# KiCad board procyon_57x80.kicad_pcb
title: Procyon; date: 2024-10-12; rev: 1; company: George Norton
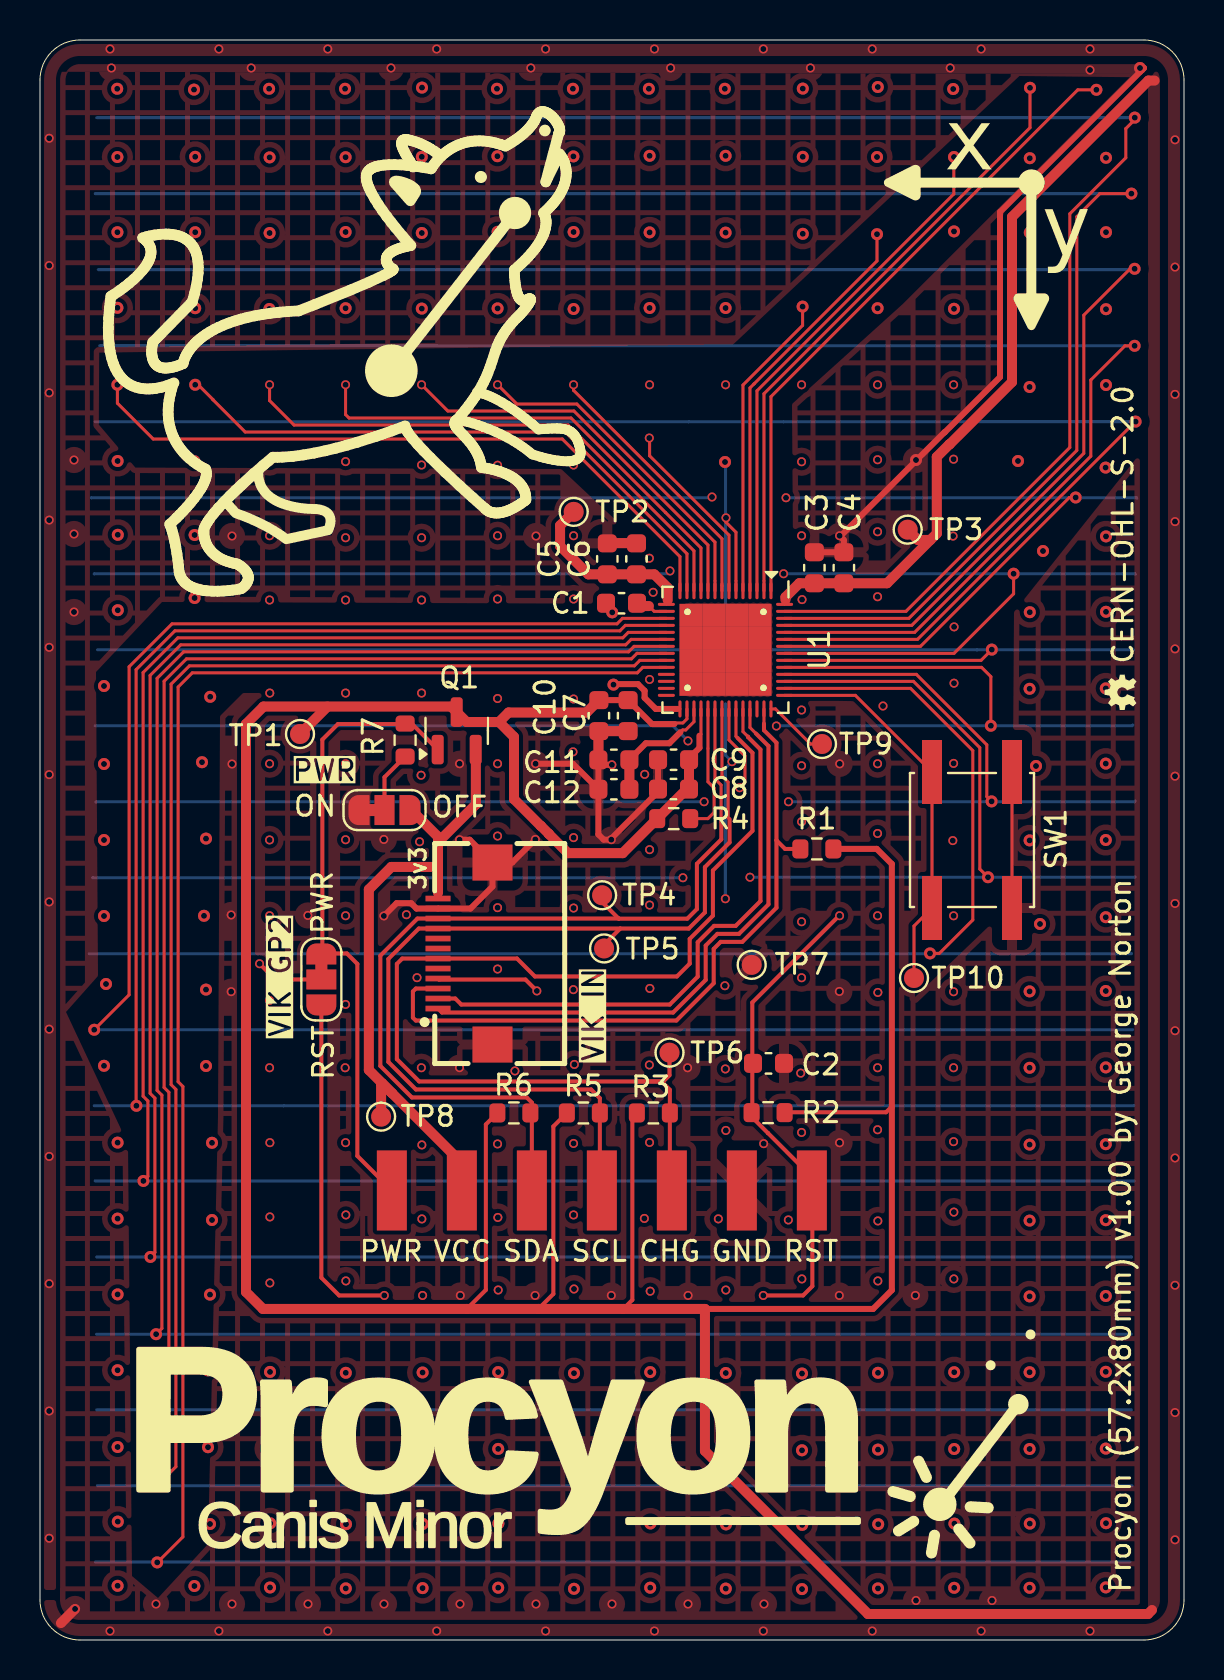
[diagram p0: board, top side]
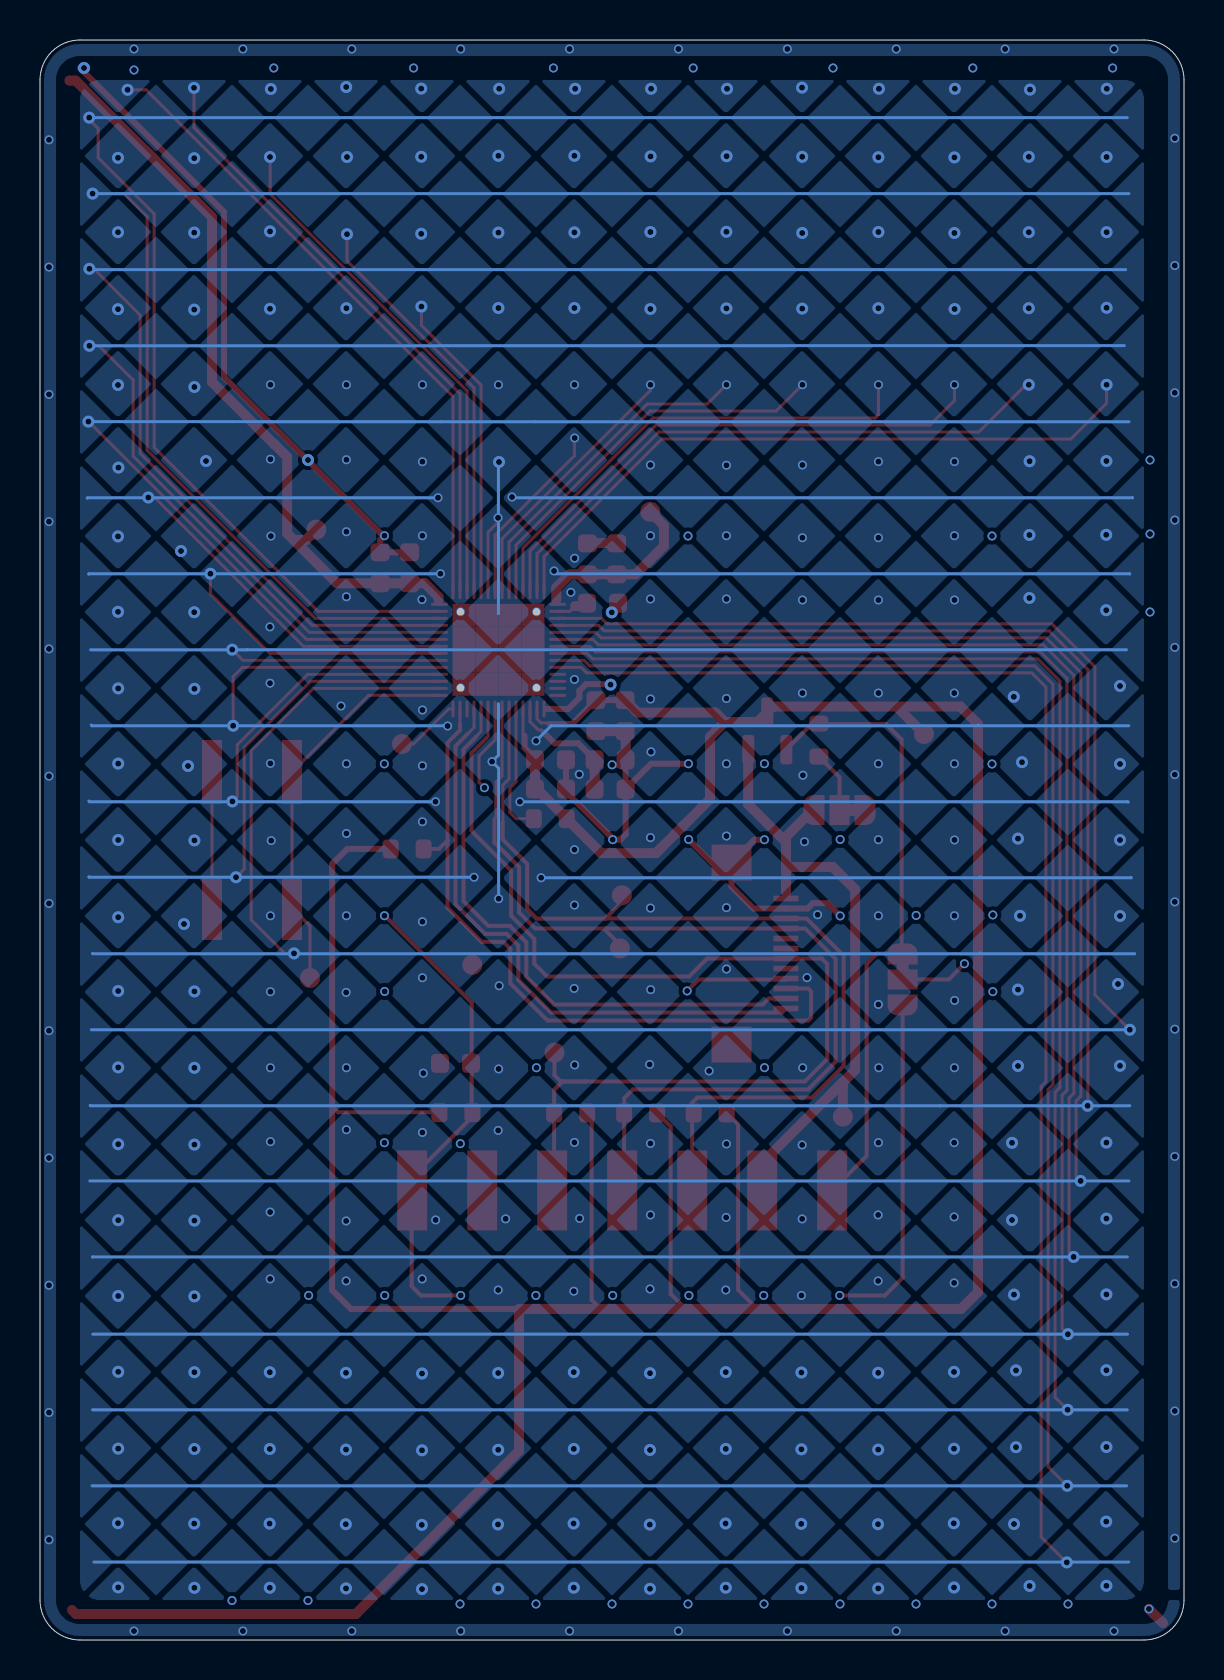
[diagram p1: board, bottom side, seen from below]

Outline 57.2 x 80 mm; copper layers: Top, In1.Cu, In2.Cu, Bottom. Coordinates in mm from the lower left corner of the outline.
Outline path: 0,78 arc(0.59,79.41) 2,80 55.2,80 arc(56.61,79.41) 57.2,78 57.2,2 arc(56.61,0.59) 55.2,0 2,0 arc(0.59,0.59) 0,2 0,78
Stack: Top 0.035mm / dielectric 0.1mm FR4 er 4.5 / In1.Cu 0.035mm / dielectric 1.24mm FR4 er 4.5 / In2.Cu 0.035mm / dielectric 0.1mm FR4 er 4.5 / Bottom 0.035mm

## Placement (name value [footprint] x y rotation side)
C1  2.2nF  [C_0603_1608Metric]  29.07 51.84 180 top
C2  10nF  [C_0603_1608Metric]  36.42 28.83 0 top
C3  22n  [C_0603_1608Metric]  38.72 53.61 270 top
C4  2.2µ  [C_0603_1608Metric]  40.19 53.61 270 top
C5  22n  [C_0603_1608Metric]  28.36 54.06 90 top
C6  1µ  [C_0603_1608Metric]  29.82 54.06 90 top
C7  22n  [C_0603_1608Metric]  29.4 46.22 90 top
C8  2.2µ  [C_0603_1608Metric]  31.67 42.55 0 top
C9  22n  [C_0603_1608Metric]  31.68 44.01 0 top
C10  2.2µ  [C_0603_1608Metric]  27.94 46.22 90 top
C11  22n  [C_0603_1608Metric]  28.69 44.01 0 top
C12  1µ  [C_0603_1608Metric]  28.69 42.54 0 top
J1  Conn_01x07_Pin  [Test Pads]  28.09 22.48 0 top
J2  ~  [vik-module-connector-horizontal]  21.94 34.32 90 top
JP1  VIK GP2  [SolderJumper-3_P1.3mm_Bridged12_RoundedPad1.0x1.5mm_NumberLabels]  14.07 33.03 270 top
JP2  PWR  [SolderJumper-3_P1.3mm_Bridged12_RoundedPad1.0x1.5mm_NumberLabels]  17.22 41.5 0 top
NT1  NetTie_2  [NetTie-2_SMD_Pad0.5mm]  1.4 1.2 225 top
Q1  AO3401A  [SOT-23]  20.83 45.46 90 top
R1  10k  [R_0603_1608Metric]  38.84 39.55 180 top
R2  10k  [R_0603_1608Metric]  36.4 26.37 180 top
R3  10k  [R_0603_1608Metric]  30.67 26.35 0 top
R4  10k  [R_0603_1608Metric]  31.68 41.07 0 top
R5  3.3k  [R_0603_1608Metric]  27.17 26.35 0 top
R6  3.3k  [R_0603_1608Metric]  23.69 26.35 0 top
R7  2M  [R_0603_1608Metric]  18.25 45 90 top
SW1  SW_Push  [SW_SPST_EVQQ2]  46.6 40 90 top
TP1  TestPoint  [TestPoint_Pad_D1.0mm]  13 45.3 0 top
TP2  TestPoint  [TestPoint_Pad_D1.0mm]  26.68 56.41 0 top
TP3  TestPoint  [TestPoint_Pad_D1.0mm]  43.38 55.52 0 top
TP4  TestPoint  [TestPoint_Pad_D1.0mm]  28.1 37.24 0 top
TP5  TestPoint  [TestPoint_Pad_D1.0mm]  28.2 34.58 0 top
TP6  TestPoint  [TestPoint_Pad_D1.0mm]  31.47 29.37 0 top
TP7  TestPoint  [TestPoint_Pad_D1.0mm]  35.58 33.76 0 top
TP8  TestPoint  [TestPoint_Pad_D1.0mm]  17.06 26.17 0 top
TP9  TestPoint  [TestPoint_Pad_D1.0mm]  39.1 44.8 0 top
TP10  TestPoint  [TestPoint_Pad_D1.0mm]  43.7 33.1 0 top
U1  mXT336UD-MAU002  [QFN-56_EP_6x6_Pitch0.35mm]  34.27 49.51 270 top

## Library data of the parts
C1 = -: LCSC: C1604; ki_fp_filters: C_*
C2 = -: LCSC: C57112; ki_fp_filters: C_*
C3 C5 C7 C9 C11 = -: LCSC: C21122; ki_fp_filters: C_*
C4 C8 C10 = -: LCSC: C23630; ki_fp_filters: C_*
C6 C12 = -: LCSC: C15849; ki_fp_filters: C_*
J1 = -: Description: Generic connector, single row, 01x07, script generated; ki_fp_filters: Connector*:*_1x??_*
J2 = -: LCSC: C479750
JP1 JP2 = -: Description: 3-pole Solder Jumper, pins 1+2 closed/bridged; ki_fp_filters: SolderJumper*Bridged12*
NT1 = -: Description: Net tie, 2 pins; ki_fp_filters: Net*Tie*
Q1 = -: Datasheet: http://www.aosmd.com/pdfs/datasheet/AO3401A.pdf; Description: -4.0A Id, -30V Vds, P-Channel MOSFET, SOT-23; LCSC: C15127; ki_fp_filters: SOT?23*
R1-R4 = -: LCSC: C25804; ki_fp_filters: R_*
R5 R6 = -: LCSC: C22978; ki_fp_filters: R_*
R7 = -: LCSC: C22976; ki_fp_filters: R_*
SW1 = -: Description: Push button switch, generic, two pins
TP1-TP10 = -: Description: test point; ki_fp_filters: Pin* Test*
U1 = -: Datasheet: https://ww1.microchip.com/downloads/secure/aemDocuments/documents/HMID/ProductDocuments/DataSheets/mXT336UD_2_0_Touchscreen_Controller_Product_Datasheet.pdf; LCSC: C5555867

## Footprints (pads in the part's own frame, mm; a bottom-side part is the same pattern mirrored in y, then rotated)
C_0603_1608Metric
  rrect 0.9x0.95 smd: 1(-0.775,0) 2(0.775,0)
NetTie-2_SMD_Pad0.5mm
  round 0.5 smd: 1(-0.5,0) 2(0.5,0)
QFN-56_EP_6x6_Pitch0.35mm
  rrect 1.2x1.2 smd: (-1.5,1.5) (-1.5,0) (-1.5,-1.5) (0,1.5) (0,0) (0,-1.5) (1.5,1.5) (1.5,0) (1.5,-1.5)
  oval 0.85x0.15 smd: 1(-2.955,2.275) 2(-2.955,1.925) 3(-2.955,1.575) 4(-2.955,1.225) 5(-2.955,0.875) 6(-2.955,0.525) 7(-2.955,0.175) 8(-2.955,-0.175) 9(-2.955,-0.525) 10(-2.955,-0.875) 11(-2.955,-1.225) 12(-2.955,-1.575) 13(-2.955,-1.925) 14(-2.955,-2.275) 29(2.955,-2.275) 30(2.955,-1.925) 31(2.955,-1.575) 32(2.955,-1.225) 33(2.955,-0.875) 34(2.955,-0.525) 35(2.955,-0.175) 36(2.955,0.175) 37(2.955,0.525) 38(2.955,0.875) 39(2.955,1.225) 40(2.955,1.575) 41(2.955,1.925) 42(2.955,2.275)
  oval 0.15x0.85 smd: 15(-2.275,-2.955) 16(-1.925,-2.955) 17(-1.575,-2.955) 18(-1.225,-2.955) 19(-0.875,-2.955) 20(-0.525,-2.955) 21(-0.175,-2.955) 22(0.175,-2.955) 23(0.525,-2.955) 24(0.875,-2.955) 25(1.225,-2.955) 26(1.575,-2.955) 27(1.925,-2.955) 28(2.275,-2.955) 43(2.275,2.955) 44(1.925,2.955) 45(1.575,2.955) 46(1.225,2.955) 47(0.875,2.955) 48(0.525,2.955) 49(0.175,2.955) 50(-0.175,2.955) 51(-0.525,2.955) 52(-0.875,2.955) 53(-1.225,2.955) 54(-1.575,2.955) 55(-1.925,2.955) 56(-2.275,2.955)
  round 0.43 hole 0.33: 57(-1.9,1.9) 57(-1.9,-1.9) 57(1.9,1.9) 57(1.9,-1.9)
  rect 1.15x1.15 smd: 57(-1.725,1.725) 57(-1.725,0.575) 57(-1.725,-0.575) 57(-1.725,-1.725) 57(-0.575,1.725) 57(-0.575,0.575) 57(-0.575,-0.575) 57(-0.575,-1.725) 57(0.575,1.725) 57(0.575,0.575) 57(0.575,-0.575) 57(0.575,-1.725) 57(1.725,1.725) 57(1.725,0.575) 57(1.725,-0.575) 57(1.725,-1.725)
R_0603_1608Metric
  rrect 0.8x0.95 smd: 1(-0.825,0) 2(0.825,0)
SolderJumper-3_P1.3mm_Bridged12_RoundedPad1.0x1.5mm_NumberLabels
  custom 1.05x1.5 smd: 1(-1.3,0) 3(1.3,0)
  rect 1x1.5 smd: 2(0,0)
SOT-23
  rrect 1.475x0.6 smd: 1(-0.938,0.95) 2(-0.938,-0.95) 3(0.938,0)
SW_SPST_EVQQ2
  rect 3.2x1 smd: 1(-3.4,2) 1(3.4,2) 2(-3.4,-2) 2(3.4,-2)
Test Pads
  rect 1.5x4 smd: 1(-10.5,0) 2(-7,0) 3(-3.5,0) 4(0,0) 5(3.5,0) 6(7,0) 7(10.5,0)
TestPoint_Pad_D1.0mm
  round 1 smd: 1(0,0)
vik-module-connector-horizontal
  rect 0.28x1.25 smd: 1(-2.75,2.038) 2(-2.25,2.038) 3(-1.75,2.038) 4(-1.25,2.038) 5(-0.75,2.038) 6(-0.25,2.038) 7(0.25,2.038) 8(0.75,2.038) 9(1.25,2.038) 10(1.75,2.038) 11(2.25,2.038) 12(2.75,2.038)
  rect 1.8x2 smd: 13(4.55,-0.686) 14(-4.55,-0.686)

## Nets
+3.3V: C3.2 C4.2 C7.2 C8.2 C9.2 C10.2 Q1.3 R1.1 R2.1 R3.1 R4.1 R5.1 R6.1 TP1.1 TP3.1 U1.30 U1.32 U1.56
+3V3 IN: J1.2 J2.12 JP2.3 Q1.2 TP8.1
GND: C2.2 C3.1 C4.1 C5.2 C6.2 C7.1 C8.1 C9.1 C10.1 C11.1 C12.1 J1.6 J2.11 J2.13 J2.14 JP2.1 NT1.1 SW1.2 TP7.1 U1.57
/CHANGE: J1.5 J2.6 R3.2 TP6.1 U1.37
/DBG_CLK: J2.1 U1.39
/DBG_DATA: J2.2 U1.38
/DBG_SS: J2.3 R1.2 U1.41
/GPIO3: TP9.1 U1.42
/GPIO4: SW1.1 TP10.1 U1.43
/Guard: NT1.2
/POWER_CONTROL: J1.1 JP1.1 Q1.1 R7.2
/RESET: C2.1 J1.7 JP1.3 R2.2 U1.36
/SCL: J1.4 J2.9 R5.2 TP5.1 U1.35
/SDA: J1.3 J2.10 R6.2 TP4.1 U1.34
/X0: U1.1
/X1: U1.2
/X2: U1.3
/X3: U1.4
/X4: U1.5
/X5: U1.6
/X6: U1.7
/X7: U1.8
/X8: U1.9
/X9: U1.10
/X10: U1.11
/X11: U1.12
/X12: U1.13
/X13: U1.14
/XVDD: C5.1 C6.1 TP2.1 U1.15
/Y0: U1.55
/Y1: U1.54
/Y2: U1.53
/Y3: U1.52
/Y4: U1.51
/Y5: U1.50
/Y6: U1.49
/Y7: U1.48
/Y8: U1.47
/Y9: U1.46
/Y10: U1.45
/Y11: U1.44
/Y12: U1.17
/Y13: U1.18
/Y14: U1.19
/Y15: U1.20
/Y16: U1.21
/Y17: U1.22
/Y18: U1.23
/Y19: U1.24
Net-(J2-GPIO_AD2): J2.4 JP1.2
Net-(JP2-C): JP2.2 R7.1
Net-(U1-EXCAP0): C1.2 U1.29
Net-(U1-EXCAP1): C1.1 U1.16
Net-(U1-TEST): R4.2 U1.33
Net-(U1-VDDCORE): C11.2 C12.2 U1.31

Pads without a net: J2 5 7 8; U1 25 26 27 28 40

## Via types
v1: diameter 0.45, hole 0.3, Top to Bottom, 236 vias
v2: diameter 0.6, hole 0.3, Top to Bottom, 189 vias

## Routing (per net, layer and track width the routed paths; a pad name or vN(x,y) marks a point on that pad's centre or on a via; arc(x,y) is an arc through that point)
+3.3V: length 239.3
  Top w0.15: U1.56 37.27,51.83 37.27,52.01 ; U1.32 33.05,45.29 32.97,45.21 ; 31.72,45.8 31.78,45.85 32.14,45.85 32.35,46.06 U1.30
  Top w0.2: 21.34,16.55 22.29,17.5 22.29,25.78 R6.1 ; 29.17,16.55 29.62,17 29.62,26.13 29.82,26.33 29.84,26.33 ; 42.59,26.68 42.3,26.39 37.25,26.39 R2.1 ; R5.1 25.67,25.68 25.67,17.3 24.92,16.55
  Top w0.3: C9.2 32.45,44.09 32.97,44.61 32.97,45.21 ; 27.76,47.17 C10.2 C7.2 30.6,45.8 31.72,45.8 ; 33.25,16.55 41.65,16.55 42.59,17.49 42.59,38.8 41.83,39.56 39.67,39.56 R1.1
  Top w0.5: TP1.1 14.37,46.67 ; 55.73,77.97 55.42,77.97 48.6,71.15 48.6,62.9 45.48,59.78 45.47,59.78 44.84,59.16 44.84,55.32 44.52,55 ; 44.52,55 42.35,52.84 C4.2 C3.2 37.97,52.84 37.27,52.15 37.27,52.01 ; 44.52,55 43.9,55 TP3.1 ; 55.6,1.5 55.4,1.3 41.4,1.3 33.25,9.45 33.25,16.55 11.15,16.55 10.3,17.4 10.3,45.8 11.17,46.67 20.56,46.67 Q1.3 21.33,45.9 22.95,45.9 ; 22.95,45.9 23.7,45.15 23.7,42.04 25.04,40.7 25.05,40.7 25.44,40.31 25.44,40.3 26.4,39.34 29.13,39.34 R4.1 32.34,42.55 C8.2 32.45,44.01 C9.2 ; 22.95,45.9 23.43,46.38 27.33,46.38 C10.2
+3V3 IN: length 33.5
  Top w0.5: 19.9,39.89 19.9,38.65 ; 19.9,39.89 21.79,41.78 21.79,44.51 Q1.2 ; 19.9,39.89 19.9,40.16 18.56,41.5 JP2.3 ; 19.9,38.65 17.57,38.65 16.44,37.53 16.44,28.5 17.61,27.33 ; 19.9,38.65 19.9,37.36 ; 17.61,27.33 17.11,27.84 17.06,27.79 TP8.1 ; 17.61,27.33 21.09,23.85 J1.2
GND: length 69.8
  Top w0.15: SW1.2 SW1.2
  Top w0.3: C9.1 30.9,42.55 C8.1 30.9,42.41 28.56,40.08 v1(28.56,40.02) 28.18,40.02 27.92,40.28 C12.1 ; 55.1,78.5 55.2,78.6 v2(55,78.6) 55,78.4 48,71.4 48,63.15 45.23,60.38 45.22,60.38 43.84,59 v2(43.8,59) 43.8,58.96 40.05,55.21 v1(39.98,55.21) 40.19,55 C4.1 C3.1 ; C12.1 C11.1 28.17,43.76 v1(28.59,43.76) ; C12.1 26.64,43.81 v1(24.78,43.81) ; 29.51,45.34 C7.1 ; J2.13 21.48,40.01 v1(20.98,40.01) ; J2.13 22.62,37.67 21.52,36.57 J2.11 18.82,36.57 18.56,36.84 17.83,36.84 v1(17.19,36.2) ; J2.13 23.61,38.87 v1(24.77,40.03)
  Top w0.5: C5.2 28.38,54.85 29.81,54.85 C6.2 ; C7.1 C10.1 27.92,45.42 C11.1
  vias: v1(1.7,59) v1(1.7,55.3) v1(1.7,51.4) v1(1.75,1.55) v1(3.57,78.6) v1(5.8,1.8) v1(9.56,36.25) v1(9.56,32.42) v1(9.6,55.2) v1(9.6,43.8) v1(9.6,1.8) v1(10.56,78.6) v1(13.39,36.23) v1(13.4,1.8) v1(17.19,40.03) v1(17.2,1.8) v1(17.55,78.6) v1(20.98,43.81) v1(20.97,28.62) v1(21.01,17.23) v1(21,1.8) v1(24.54,78.6) v1(24.75,17.23) v1(24.8,55.2) v1(24.8,1.8) v1(28.56,17.23) v1(28.6,1.8) v1(31.53,78.6) v1(32.38,28.61) v1(32.4,17.23) v1(32.4,1.8) v1(36.18,24.82) v1(36.2,1.8) v1(38.52,78.6) v1(39.98,43.81) v1(39.97,32.43) v1(39.98,24.86) v1(39.96,17.23) v1(43.77,17.23) v1(43.8,1.97) v1(45.51,78.6) v1(47.6,1.97) v1(52.5,78.5)
/CHANGE: length 56.7
  Top w0.15: U1.37 34.8,45.18 34.88,45.1
  Top w0.2: 29.92,27.93 31.17,27.93 31.47,28.24 TP6.1 ; 29.92,27.93 31.07,27.93 31.49,27.51 R3.2 31.49,22.58 J1.5 ; 29.92,27.93 18.96,27.93 17.84,29.04 17.84,33.8 18.11,34.07 J2.6 23.85,34.07 24.74,33.18 31.84,33.18 32.48,33.82 32.48,35.05 33.64,36.21 33.64,38.48 35.62,40.46 35.62,44.36 34.88,45.1
/DBG_CLK: length 30
  Top w0.15: U1.39 35.5,45.62 35.8,45.32
  Top w0.2: J2.1 20.1,31.37 31.66,31.37 33.28,33 33.28,34.72 33.87,35.31 34.95,35.31 36.42,36.78 36.42,44.7 35.8,45.32
/DBG_DATA: length 29.4
  Top w0.15: 35.4,45.17 35.39,45.17 35.15,45.42 U1.38
  Top w0.2: 35.4,45.17 35.4,45.15 36.02,44.52 36.02,36.95 34.78,35.71 33.7,35.71 32.88,34.89 32.88,33.17 31.49,31.77 21.07,31.77 20.77,32.07 J2.2
/DBG_SS: length 35.8
  Top w0.15: 36.2,45.81 U1.41
  Top w0.2: 36.82,39.98 36.82,36.61 35.12,34.91 34.03,34.91 33.68,34.56 33.68,32.84 31.82,30.97 18.79,30.97 18.64,31.12 18.64,32.43 18.79,32.57 J2.3 ; 36.82,39.98 37.25,39.55 R1.2 ; 36.82,39.98 36.82,44.86 36.2,45.49 36.2,45.81
/GPIO3: length 3.3
  Top w0.15: U1.42 36.77,46.55 38.53,44.8 TP9.1
/GPIO4: length 19.6
  Top w0.15: TP10.1 43.7,35.7 SW1.1 SW1.1 40.77,47.23 U1.43
/Guard:
  vias: v1(0.46,75.09) v1(0.46,68.72) v1(0.46,62.36) v1(0.46,56) v1(0.46,49.63) v1(0.46,43.27) v1(0.46,36.91) v1(0.46,30.54) v1(0.46,24.18) v1(0.46,17.81) v1(0.46,11.45) v1(0.46,5.09) v1(3.5,79.55) v1(3.5,0.45) v1(8.94,79.55) v1(8.94,0.45) v1(14.39,79.55) v1(14.39,0.45) v1(19.83,79.55) v1(19.83,0.45) v1(25.28,79.55) v1(25.28,0.45) v1(30.72,79.55) v1(30.72,0.45) v1(36.17,79.55) v1(36.17,0.45) v1(41.61,79.55) v1(41.61,0.45) v1(47.06,79.55) v1(47.06,0.45) v1(52.5,79.55) v1(52.5,0.45) v1(56.75,75.01) v1(56.75,68.65) v1(56.75,62.28) v1(56.75,55.92) v1(56.75,49.56) v1(56.75,43.19) v1(56.75,36.83) v1(56.75,30.46) v1(56.75,24.1) v1(56.75,17.74) v1(56.75,11.37) v1(56.75,5.01)
/POWER_CONTROL: length 31.4
  Top w0.2: Q1.1 18.58,45.82 R7.2 18.23,45.8 14.89,45.8 14.12,45.02 14.12,34.38 JP1.1 15.34,34.33 15.87,33.8 15.87,24.2 J1.1
/RESET: length 73.8
  Top w0.15: U1.36 34.45,45 35.25,44.2 35.25,42.88 v1(34.98,42.61)
  Top w0.2: v1(39.98,36.21) 39.95,36.21 35.61,31.88 35.61,28.87 C2.1 35.61,28.8 35.61,26.4 R2.2 35.58,26.16 36.4,25.34 36.4,25.34 38.59,23.15 J1.7 38.62,22.45 38.62,17.69 38.16,17.23 v1(36.16,17.23) ; JP1.3 14.07,18.11 14.95,17.23 v1(17.21,17.23)
  In1.Cu w0.15: v1(39.98,36.21) 34.98,41.21 v1(34.98,42.61)
  In1.Cu w0.2: v1(36.16,17.23) 35.51,16.58 17.86,16.58 v1(17.21,17.23)
/SCL: length 50.1
  Top w0.15: 34.48,41.04 34.4,41.11 34.4,42.89 34.1,43.2 U1.35
  Top w0.2: TP5.1 28.2,34.77 29.01,35.57 ; 29.01,35.57 32.44,35.57 33.24,36.38 33.24,38.64 34.48,39.88 34.48,41.04 ; 29.01,35.57 J2.9 18.94,35.57 17.42,34.05 17.42,28.9 18.79,27.53 27.55,27.53 27.99,27.09 27.99,22.58 J1.4
/SDA: length 47.2
  Top w0.15: 34.06,40.89 34.05,40.9 34.05,42.75 33.75,43.06 U1.34
  Top w0.2: J1.3 24.59,26.87 24.33,27.13 18.59,27.13 17.02,28.7 17.02,34.22 18.87,36.07 J2.10 28.94,36.07 ; 28.94,36.07 28.95,36.07 32.37,36.07 32.84,36.55 32.84,38.81 34.06,40.03 34.06,40.89 ; 28.94,36.07 28.93,36.07 28.1,36.9 TP4.1
/X0: length 107.4
  Top w0.15: U1.1 36.55,62.17 51.89,77.51 v2(52.82,77.51)
  In2.Cu w0.15: v2(53.29,2.63) 53.3,2.64 v2(53.3,5.84) 53.29,5.85 v2(53.29,9.57) v2(53.29,13.41) v2(53.29,17.2) v2(53.29,20.99) v2(53.29,24.79) v2(53.29,28.63) v2(53.29,32.45) v2(53.29,36.14) v2(53.29,40) v2(53.29,43.82) v2(53.29,47.58) 53.3,47.59 v2(53.3,51.41) v2(53.3,55.18) 53.29,55.19 53.29,58.61 v2(53.28,58.62) 53.29,58.63 53.29,62.74 v2(53.3,62.75) v2(53.3,66.54) v2(53.3,70.39) v2(53.3,74.11) 53.31,74.12 53.31,77.02 v2(52.82,77.51)
/X1: length 108
  Top w0.15: U1.2 36.2,62.31 49.5,75.61 v2(49.5,77.61)
  In2.Cu w0.15: v2(49.5,77.61) 49.5,74.1 v2(49.49,74.09) v2(49.49,70.37) v2(49.49,66.52) 49.49,62.66 v2(49.48,62.65) 49.48,59.08 49.35,58.95 v2(48.9,58.95) 49.2,58.95 49.48,58.67 49.48,54.62 49.65,54.45 ; 49.65,54.45 49.49,54.29 v2(49.49,51.39) 49.49,47.57 v2(49.48,47.56) 49.48,44.02 v2(49.8,43.7) 49.48,43.38 v2(49.48,39.98) 49.48,35.97 49.65,35.8 ; 49.65,54.45 v2(50.15,54.45) ; v2(50,35.8) 49.65,35.8 ; 49.65,35.8 49.48,35.63 v2(49.48,32.43) v2(49.48,28.61) v2(49.48,24.77) v2(49.48,20.97) v2(49.48,17.18) v2(49.48,13.39) v2(49.48,9.55) 49.48,5.83 v2(49.49,5.82) 49.49,2.62 v2(49.48,2.61)
/X2: length 100.8
  Top w0.15: v2(45.7,74.15) 45.69,74.14 45.69,72.3 35.85,62.46 U1.3
  In2.Cu w0.15: v2(45.7,74.15) v2(45.7,70.43) v2(45.7,66.56) 45.7,62.78 v1(45.68,62.76) ; v2(45.66,77.55) 45.69,77.52 45.69,74.22 45.66,74.19 ; 45.68,62.75 45.68,62.75 v1(45.68,59.04) 45.68,55.22 v1(45.65,55.2) 45.68,55.17 45.68,50.68 v1(45.7,50.66) 45.7,47.84 v1(45.7,47.84) 45.68,47.82 45.68,43.83 v1(45.68,43.83) 45.68,43.83 45.68,40.01 v1(45.64,39.97) 45.68,39.93 45.68,36.21 v1(45.68,36.21) 45.68,36.21 v1(45.68,32.41) v1(45.68,28.61) v1(45.68,24.92) 45.68,21.41 v1(45.69,21.4) 45.69,21.4 v1(45.69,18.05) 45.71,18.04 v2(45.71,13.39) v2(45.71,9.55) 45.71,5.83 v2(45.72,5.82) 45.72,2.62 v2(45.71,2.61)
/X3: length 95.8
  Top w0.15: U1.4 35.5,62.6 41.85,68.95 v2(41.85,70.29)
  In2.Cu w0.15: v1(41.88,62.76) 41.88,66.59 v2(41.88,66.59) 41.88,70.26 v2(41.85,70.29) v2(41.85,74.15) 41.89,74.19 v2(41.89,77.65) ; v1(41.88,59.01) v1(41.88,55.41) v1(41.88,52.16) 41.88,46.97 v1(42.15,46.7) 41.88,46.43 v1(41.88,43.81) v1(41.88,40.33) v1(41.88,36.21) 41.88,32.39 v1(41.89,32.38) 41.88,32.36 v1(41.88,28.61) v1(41.88,25.51) 41.89,25.5 v1(41.89,20.95) v1(41.89,17.95) 41.9,17.95 v2(41.9,13.36) v2(41.9,9.52) 41.9,5.8 v2(41.91,5.79) 41.91,2.59 v2(41.9,2.58)
  In2.Cu w0.2: v1(41.88,62.76) v1(41.88,59.01)
/X4: length 91.6
  Top w0.15: v2(38.13,66.67) 38.13,65.73 35.15,62.75 U1.5
  In2.Cu w0.15: v2(38.14,77.57) v2(38.14,74.16) v2(38.14,70.31) 38.13,70.3 v2(38.13,66.67) 38.08,66.62 v1(38.08,62.76) v1(38.08,58.91) v1(38.08,55.21) 38.08,52.04 v1(38.1,52.02) 38.1,46.52 v1(38.08,46.5) v1(38.08,43.71) v1(38.08,40.91) v1(38.08,35.91) v1(38.08,33.11) 38.08,28.39 v1(38.03,28.34) 38.08,28.3 v1(38.08,25.38) 38.08,21.21 37.87,21 v1(37.42,21) 37.87,21 38.09,20.78 v1(38.09,18.05) 38.1,18.05 v2(38.1,13.32) v2(38.1,9.48) 38.1,5.77 v2(38.11,5.75) 38.11,2.55 v2(38.1,2.54)
/X5: length 87.5
  Top w0.15: v1(34.3,56.11) 34.3,55.89 34.8,55.39 U1.6
  In1.Cu w0.15: v1(34.6,43.92) 34.28,44.24 34.28,56.09 v1(34.3,56.11)
  In2.Cu w0.15: v2(34.25,58.9) 34.25,62.73 v1(34.28,62.76) 34.28,66.6 v2(34.28,66.6) v2(34.28,70.37) v2(34.28,74.21) 34.28,77.52 v2(34.24,77.56) ; v1(34.27,37.06) 34.27,32.74 v1(34.24,32.71) 34.27,32.69 v1(34.27,28.55) 34.27,25.5 v1(34.29,25.48) 34.29,21.36 33.99,21.06 v1(33.92,21.06) 34.06,21.06 34.29,20.83 v1(34.29,17.5) v2(34.29,13.35) v2(34.29,9.51) 34.29,5.79 v2(34.3,5.78) 34.3,2.58 v2(34.29,2.57)
  Bottom w0.15: v1(34.27,37.06) 34.27,43.59 v1(34.6,43.92) 34.28,44.24 34.28,46.81 ; 34.28,58.93 v2(34.25,58.9) 34.28,58.87 34.28,56.13 v1(34.3,56.11) 34.28,56.09 34.28,51.31
/X6: length 84.9
  Top w0.15: U1.7 34.45,55.24 30.48,59.21 30.48,60.09 30.48,60.09
  In2.Cu w0.15: v2(30.44,77.56) 30.48,77.53 v2(30.48,74.21) v2(30.48,70.38) v2(30.48,66.6) 30.48,66.6 v1(30.48,62.76) 30.48,60.11 v1(30.47,60.1) 30.47,54.09 v1(30.47,54.09) 30.48,54.08 30.48,52.56 v1(30.66,52.38) 30.51,52.24 30.51,48.06 v1(30.48,48.03) 30.5,48 30.5,43.55 v1(30.23,43.28) 30.48,43.04 v1(30.48,39.52) v1(30.48,36.75) 30.48,32.59 v1(30.49,32.58) 30.48,32.56 30.48,28.76 v1(30.47,28.75) 30.48,28.74 v1(30.48,24.88) 30.48,21.34 v1(30.22,21.08) 30.51,20.79 v1(30.51,17.44) v2(30.51,13.39) v2(30.51,9.55) 30.51,5.83 v2(30.52,5.82) 30.52,2.62 v2(30.51,2.61)
/X7: length 89.3
  Top w0.15: v1(26.68,62.76) 26.68,62.48 34.1,55.06 U1.8
  In2.Cu w0.15: v1(26.7,17.55) 26.69,17.56 26.69,21.24 v1(26.68,21.25) v1(26.68,24.83) 26.68,28.74 v1(26.72,28.78) 26.67,28.83 v1(26.67,32.52) 26.68,32.53 v1(26.68,36.6) v1(26.68,40.12) 26.68,44.38 v1(26.65,44.41) 26.65,47.02 v1(26.68,47.05) v1(26.68,52.05) v1(26.68,55.21) v1(26.68,62.76) 26.68,66.55 v2(26.68,66.55) v2(26.68,70.4) 26.68,74.17 v2(26.67,74.18) 26.71,74.22 26.71,77.5 v2(26.65,77.56) ; v2(26.7,2.56) 26.71,2.57 v2(26.71,5.77) 26.7,5.78 v2(26.7,9.5) v2(26.7,13.34) 26.7,18.32
  vias: v1(26.68,58.75)
/X8: length 93.1
  Top w0.15: v1(22.88,62.76) 23.84,61.8 26.84,61.8 33.75,54.89 U1.9
  In2.Cu w0.15: v2(22.85,77.56) 22.87,77.54 v2(22.87,74.19) 22.88,74.18 v2(22.88,70.41) v2(22.88,66.58) 22.88,66.58 v1(22.88,62.76) v1(22.88,58.74) v1(22.88,55.21) v1(22.88,52.05) v1(22.88,47.07) v1(22.88,43.81) v1(22.88,40.2) v1(22.88,36.62) v1(22.88,33.55) 22.88,28.64 23.07,28.45 v1(23.74,28.45) 23.03,28.45 22.88,28.3 v1(22.88,24.8) 22.88,21.14 v1(22.89,21.13) 22.89,17.52 v1(22.91,17.5) v2(22.91,13.39) v2(22.91,9.55) 22.91,5.83 v2(22.92,5.82) 22.92,2.62 v2(22.91,2.61)
/X9: length 95.9
  Top w0.15: v1(19.08,62.76) 20.39,61.45 26.7,61.45 33.4,54.75 U1.10
  In2.Cu w0.15: 19.13,17.16 v2(19.13,13.38) v2(19.13,9.53) 19.13,5.81 v2(19.14,5.8) 19.14,2.6 v2(19.13,2.59) ; v1(19.13,17.23) 19.09,17.27 v1(19.09,21.05) v1(19.09,24.75) 19.09,28.59 v1(19.07,28.61) 19.08,28.62 19.08,32.89 v1(18.85,33.12) 19.08,33.35 19.08,35.03 18.32,35.79 v1(18.32,36.26) 19.08,37.02 19.08,39.81 v1(18.98,39.91) 19.08,40.01 19.08,43.21 v1(19.05,43.24) 19.08,43.26 v1(19.08,47.35) v1(19.08,52) v1(19.08,55.11) v1(19.08,62.76) 19.08,66.56 v2(19.09,66.57) v2(19.09,70.35) v2(19.09,74.16) 19.09,77.61 v2(19.1,77.62)
  vias: v1(19.08,58.75)
/X10: length 99.2
  Top w0.15: U1.11 33.05,54.6 31.28,56.37 26.55,61.1 15.45,61.1 15.28,61.27 v1(15.28,62.76)
  In2.Cu w0.15: v2(15.29,2.58) 15.3,2.59 v2(15.3,5.79) 15.29,5.8 v2(15.29,9.52) v2(15.29,13.36) 15.29,17.95 v1(15.29,17.95) v1(15.29,21.25) 15.28,21.27 v1(15.28,24.87) 15.28,28.59 v1(15.26,28.61) 15.28,28.63 v1(15.28,31.78) v1(15.28,36.21) v1(15.28,40.01) v1(15.28,43.81) v1(15.28,47.35) v1(15.28,52) v1(15.28,55.11) v1(15.28,62.76) 15.28,66.59 v2(15.28,66.59) v2(15.28,70.4) v2(15.28,74.14) 15.28,77.53 v2(15.25,77.56)
  vias: v1(15.28,58.92)
/X11: length 102.1
  Top w0.15: v1(11.48,62.76) 11.48,61.97 12.7,60.75 26.41,60.75 32.7,54.46 U1.12
  In2.Cu w0.15: v2(11.46,77.56) 11.48,77.54 v2(11.48,74.13) v2(11.48,70.35) 11.47,70.34 v2(11.47,66.55) 11.48,66.54 v1(11.48,62.76) v1(11.48,55.21) v1(11.48,52) 11.48,47.36 v1(11.49,47.35) 11.48,47.34 v1(11.48,43.81) v1(11.48,40) v1(11.48,36.21) 11.48,31.98 v1(11.47,31.98) 11.48,31.97 v1(11.48,28.61) 11.48,24.88 v1(11.49,24.87) v1(11.49,21.15) v1(11.49,17.85) 11.5,17.85 v2(11.5,13.41) v2(11.5,9.56) 11.5,5.84 v2(11.51,5.83) 11.51,2.63 v2(11.5,2.62)
  vias: v1(11.48,58.92)
/X12: length 115.3
  Top w0.15: U1.13 32.35,54.31 26.26,60.4 10.26,60.4 8.65,62.01 8.65,62.02 7.83,62.84 7.7,62.84
  In2.Cu w0.15: 7.9,5.8 7.72,5.98 7.72,9.42 7.94,9.64 ; 7.9,5.8 v2(8.5,5.8) ; 7.9,5.8 7.73,5.63 7.73,2.71 v2(7.72,2.7) ; v2(8.4,9.64) 7.94,9.64 ; 7.94,9.64 7.72,9.86 7.72,13.22 7.98,13.48 v2(8.4,13.48) 7.92,13.48 7.72,13.68 7.72,16.96 8.03,17.27 ; v2(7.7,77.52) 7.7,74.22 v2(7.76,74.16) 7.71,74.11 7.71,70.44 v2(7.76,70.39) 7.71,70.34 7.71,66.64 v2(7.76,66.59) 7.7,66.53 7.7,62.82 v2(7.76,62.76) 7.72,62.72 v2(7.72,58.94) 7.72,55.26 v2(7.73,55.25) v2(7.73,52.1) 7.73,47.37 7.94,47.16 v2(8.51,47.16) 7.92,47.16 7.72,46.96 7.72,43.96 7.79,43.89 ; 8.03,17.27 7.72,17.58 7.72,20.57 8.15,21 v2(8.6,21) 8.1,21 7.72,21.38 7.72,24.52 8.06,24.86 v2(8.6,24.86) 8.04,24.86 7.72,25.18 7.72,28.42 8,28.7 ; 8.03,17.27 v2(8.5,17.27) ; 8,28.7 v2(8.3,28.7) ; 8,28.7 7.72,28.98 7.72,32.32 7.92,32.52 v2(8.3,32.52) 7.93,32.52 7.72,32.73 7.72,35.97 7.96,36.21 v2(8.2,36.21) 7.89,36.21 7.72,36.38 7.72,39.87 7.92,40.07 ; 7.92,40.07 v2(8.3,40.07) ; 7.92,40.07 7.72,40.27 7.72,43.82 7.79,43.89 ; 7.79,43.89 v2(8.1,43.89)